# Altium PCB allaki_mezzanine.PcbDoc (part 3 of 3) (continued)
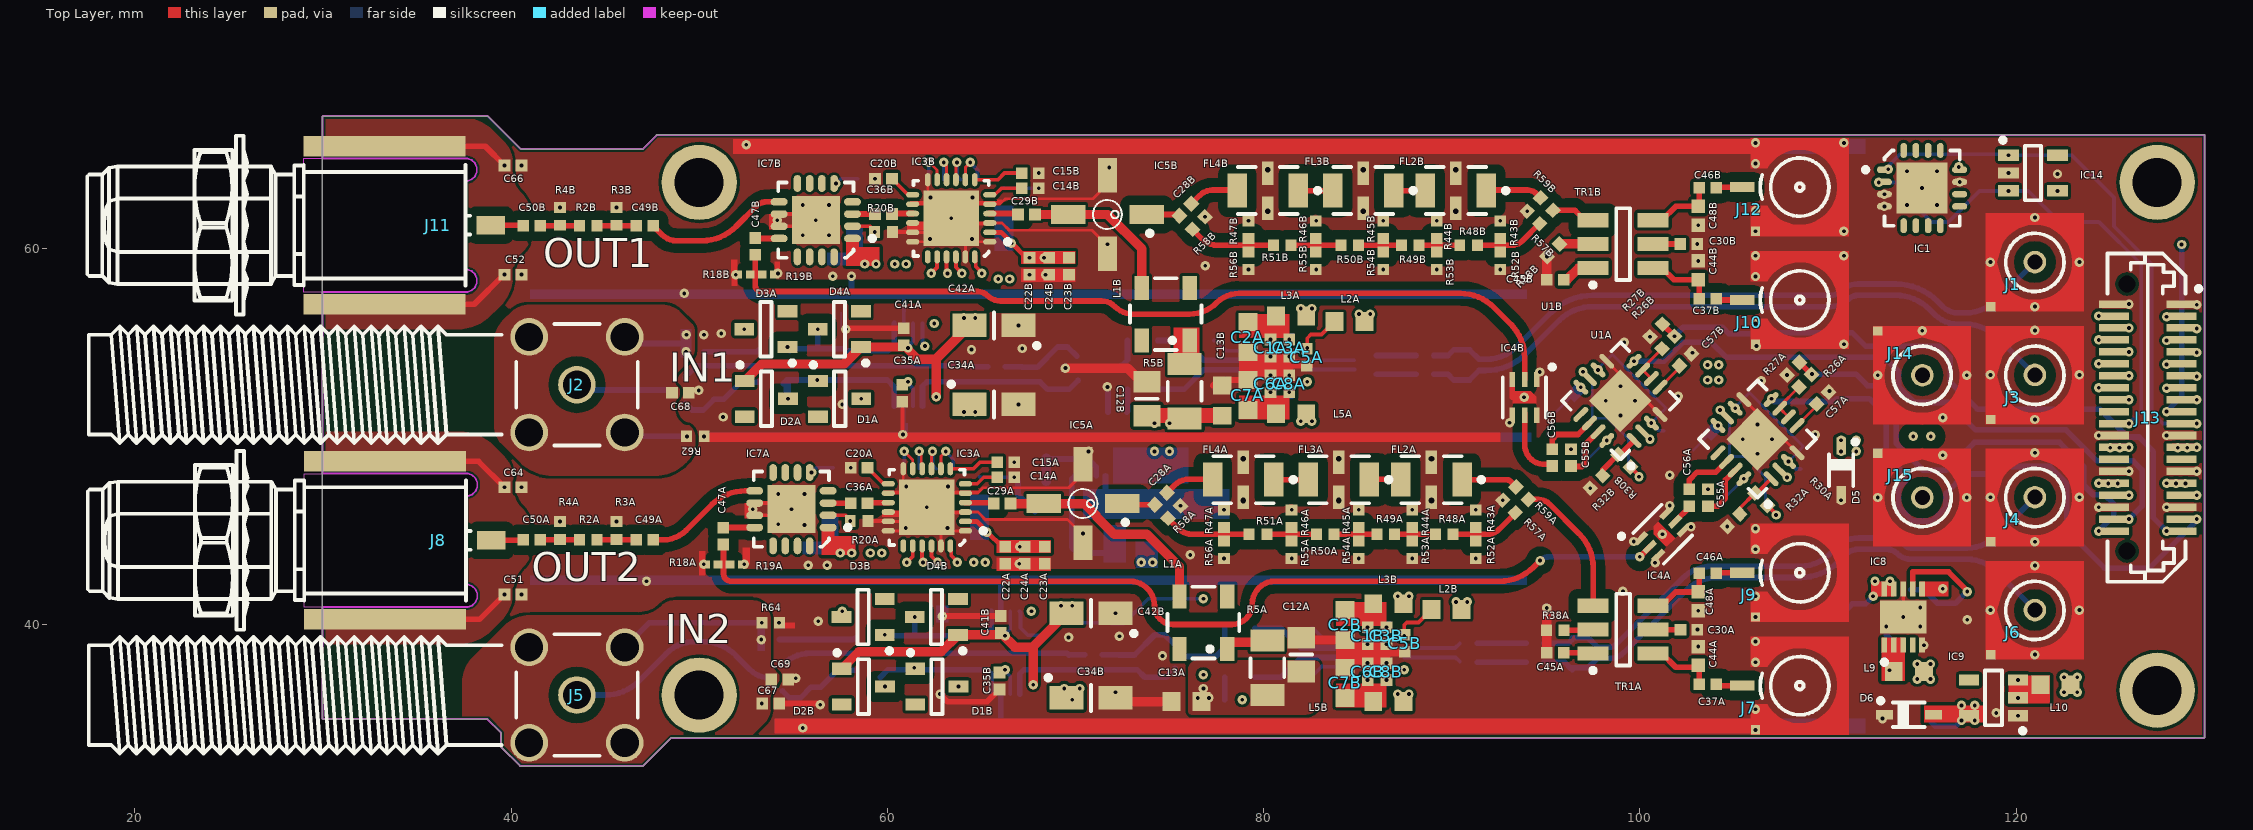
[diagram p0: Top Layer view]
## Polygon pours and split planes (outlines as drawn) (continued)
VCCN_12V0_A on MidLayer3 "VCCN_12V0_A_L04_P048" (solid, remove dead copper, pour order 101): 61.9,55.9 ccw(c62.4,55.9) 62.4,55.4 68.4,55.4 68.4,40.5 ccw(c68.9,40.5) 68.9,40 69.4,40 ccw(c69.4,40.5) 69.55,40.023 ccw(c69.7,40.5) 69.7,40 70.2,40 ccw(c70.2,40.5) 70.7,40.5 70.7,56.7 ccw(c70.3,56.7) 70.3,57.1 69.6,57.1 ccw(c69.6,56.7) 69.55,57.097 ccw(c69.5,56.7) 69.5,57.1 68.8,57.1 ccw(c68.8,56.7) 68.454,56.9 62.4,56.9 ccw(c62.4,56.4) 61.9,56.4
VCCN_5V0_A on MidLayer3 "VCCN_5V0_A_L04_P045" (solid, remove dead copper, pour order 98): 117.905,34.4 ccw(c117.905,34.9) 118.405,34.9 118.405,35.4 ccw(c117.905,35.4) 118.405,35.4 ccw(c117.905,35.4) 118.405,35.4 118.405,35.9 ccw(c117.905,35.9) 117.905,36.4 103.605,36.4 ccw(c103.605,36) 103.205,36 103.205,35.9 88.095,35.9 88.095,36.6 ccw(c87.695,36.6) 87.695,37 ccw(c87.695,36.6) 87.695,37 83,37 83,50.8 ccw(c82.6,50.8) 82.6,51.2 81.9,51.2 ccw(c81.9,50.8) 81.5,50.8 81.5,34.9 ccw(c82,34.9) 81.505,34.829 81.505,34.8 ccw(c81.905,34.8) 81.905,34.4 81.998,34.4 ccw(c82,34.9) 82,34.4 82.5,34.4 ccw(c82.5,34.9) 82.502,34.4
NetC51_2 on MidLayer3 "NETC51_2_L04_P078" (solid, remove dead copper, pour order 130): 30.025,50.25 37.27,50.25 cw(c37.27,47.71) 39.067,49.506 39.6,48.972 cw(c38.332,47.704) 40.125,47.704 40.125,47.215 ccw(c41.491,47.215) 40.525,46.25 cw(c39.077,44.801) 41.125,44.801 41.125,44.257 cw(c39.418,44.257) 40.625,43.05 40.62,43.045 ccw(c41.815,41.85) 40.125,41.85 cw(c37.711,41.85) 39.418,40.142 38.969,39.694 cw(c37.173,41.49) 37.173,38.95 30.039,38.95
NetC52_2 on MidLayer3 "NETC52_2_L04_P072" (solid, remove dead copper, pour order 124): 30,67 37.245,67 cw(c37.245,64.46) 39.041,66.256 39.575,65.723 cw(c38.307,64.455) 40.1,64.455 40.1,63.966 ccw(c41.466,63.966) 40.5,63 cw(c39.052,61.552) 41.1,61.552 41.1,61.007 cw(c39.393,61.007) 40.6,59.8 40.595,59.795 ccw(c41.79,58.6) 40.1,58.6 cw(c37.686,58.6) 39.393,56.893 38.944,56.444 cw(c37.148,58.24) 37.148,55.7 30.014,55.7
RET1_IN on MidLayer3 "RET1_IN_L04_P066" (solid, remove dead copper, pour order 118): 48.034,57 cw(c48.034,55.634) 49,56.6 49.607,55.993 cw(c49.215,55.6) 49.77,55.6 49.77,54.692 cw(c48.848,54.692) 49.5,54.04 48.87,53.41 ccw(c49.28,53) 48.7,53 48.7,52.941 ccw(c49.041,52.941) 48.8,52.7 48.929,52.571 cw(c48.759,52.4) 49,52.4 49,52.363 cw(c48.486,52.363) 48.849,52 ccw(c49.21,51.639) 48.7,51.639 48.7,51.5 ccw(c49.666,51.5) 48.983,50.817 49.059,50.741 ccw(c49.4,51.083) 49.4,50.6 cw(c49.4,50.455) 49.502,50.558 49.6,50.46 cw(c49.117,49.977) 49.8,49.977 49.8,49.7 cw(c48.351,49.7) 49.376,48.676 49.3,48.6 cw(c47.61,50.29) 47.61,47.9 42.252,47.9 cw(c42.252,50.44) 40.456,48.644 39.5,49.6 cw(c40.466,50.566) 39.1,50.566 39.1,55 cw(c40.79,55) 39.595,56.195 40,56.6 cw(c40.966,55.634) 40.966,57
VCCP_5V0 on MidLayer3 "VCCP_5V0_L04_P046" (solid, remove dead copper, pour order 99): 58.8,42 65.4,42 ccw(c65.4,42.5) 65.9,42.5 ccw(c65.4,42.5) 65.9,42.5 65.9,43 ccw(c65.4,43) 65.4,43.5 ccw(c65.4,43) 65.4,43.5 61.4,43.5 61.4,45.06 ccw(c60.92,45.2) 61.42,45.2 61.42,57.1 66.4,57.1 ccw(c66.4,57.6) 66.9,57.6 ccw(c66.4,57.6) 66.9,57.6 66.9,58.1 ccw(c66.4,58.1) 66.9,58.102 66.9,58.1 ccw(c66.4,58.1) 66.897,58.15 ccw(c66.4,58.2) 66.9,58.2 cw(c66.4,58.2) 66.9,58.2 66.9,58.7 cw(c66.4,58.7) 66.9,58.7 ccw(c66.4,58.7) 66.4,59.2 61.42,59.2 61.42,59.5 ccw(c61.02,59.5) 61.02,59.9 60.32,59.9 ccw(c60.32,59.5) 59.92,59.5 59.92,58.1 59.22,58.1 ccw(c59.22,57.7) 58.82,57.7 58.82,43.5 58.8,43.5
VCCP_6V0_A on MidLayer3 "VCCP_6V0_A_L04_P044" (solid, remove dead copper, pour order 97): 114.735,36.565 120.065,36.565 ccw(c120.065,38) 121.5,38 121.5,39.485 cw(c124.04,39.485) 124.04,42.025 126,42.025 ccw(c126,42.625) 126.6,42.625 126.6,47 ccw(c125.6,47) 125.6,48 122.54,48 ccw(c122.54,45.46) 120,45.46 120,43.507 cw(c119.6,44.2) 119.6,43.4 ccw(c119.6,42.3) 118.5,42.3 118.5,40.891 cw(c117.4,40.891) 117.973,39.952 cw(c117.46,42.44) 117.46,39.9 114.9,39.9 ccw(c114.9,39) 114,39 114,37.3 ccw(c114.735,37.3)
VCCN_6V0_A on MidLayer3 "VCCN_6V0_A_L04_P043" (solid, remove dead copper, pour order 96): 127.06,36 ccw(c127.06,38.54) 129.6,38.54 129.6,47.443 ccw(c129,47.443) 129,48.043 127.443,48.043 ccw(c127.443,47.6) 127,47.6 127,42 cw(c126,42) 126,41 124.54,41 ccw(c124.54,38.46) 122,38.46 122,36.5 ccw(c122.5,36.5) 122.5,36
VCCN_12V0_A on MidLayer3 "VCCN_12V0_A_L04_P050" (solid, remove dead copper, pour order 103): 0,0
RET2_IN on MidLayer3 "RET2_IN_L04_P060" (solid, remove dead copper, pour order 112): 41,40.5 46.793,40.5 ccw(c46.793,42.207) 48,41 cw(c48.724,40.276) 48.724,41.3 52.776,41.3 cw(c52.776,40.276) 53.5,41 cw(c52.776,40.276) 53.8,40.276 53.8,37.935 ccw(c54.141,37.935) 53.9,37.694 54.276,37.317 cw(c54.219,37.26) 54.3,37.26 cw(c53.649,37.26) 54.109,36.8 ccw(c54.857,36.053) 53.8,36.053 53.8,35.524 cw(c52.776,35.524) 53.5,34.8 51.944,33.244 cw(c50.148,35.04) 50.148,32.5 40.152,32.5 cw(c40.152,35.04) 38.356,33.244 38,33.6 cw(c39.449,35.049) 37.4,35.049 37.4,36.9 cw(c39.331,36.9) 37.966,38.266 39.634,39.934 cw(c41,38.569)
GND on MidLayer1 "GND_L02_P090" (solid, remove dead copper, pour order 142): 38.739,34.975 39.475,34.239 39.475,33.5 ccw(c39.5,33.5) 39.482,33.482 40.482,32.482 cw(c40.5,32.5) 40.482,32.482 ccw(c40.5,32.5) 40.5,32.475 47,32.475 ccw(c47,32.5) 47.018,32.482 48.511,33.975 130,33.975 ccw(c130,34) 130.025,34 130.025,66 ccw(c130,66) 130,66.025 47.75,66.025 ccw(c47.75,66) 47.732,66.018 cw(c47.75,66) 47.732,66.018 46.989,65.275 40.511,65.275 38.768,67.018 cw(c38.75,67) 38.768,67.018 ccw(c38.75,67) 38.75,67.025 30,67.025 ccw(c30,67) 29.975,67 29.975,35 ccw(c30,35) 30,34.975
NetC51_2 on MidLayer1 "NETC51_2_L02_P076" (solid, remove dead copper, pour order 128): 30.025,50.25 37.27,50.25 cw(c37.27,47.71) 39.067,49.506 39.6,48.972 cw(c38.332,47.704) 40.125,47.704 40.125,47.215 ccw(c41.491,47.215) 40.525,46.25 cw(c39.077,44.801) 41.125,44.801 41.125,44.257 cw(c39.418,44.257) 40.625,43.05 40.62,43.045 ccw(c41.815,41.85) 40.125,41.85 cw(c37.711,41.85) 39.418,40.142 38.969,39.694 cw(c37.173,41.49) 37.173,38.95 30.039,38.95
NetC52_2 on MidLayer1 "NETC52_2_L02_P070" (solid, remove dead copper, pour order 122): 30,67 37.245,67 cw(c37.245,64.46) 39.041,66.256 39.575,65.723 cw(c38.307,64.455) 40.1,64.455 40.1,63.966 ccw(c41.466,63.966) 40.5,63 cw(c39.052,61.552) 41.1,61.552 41.1,61.007 cw(c39.393,61.007) 40.6,59.8 40.595,59.795 ccw(c41.79,58.6) 40.1,58.6 cw(c37.686,58.6) 39.393,56.893 38.944,56.444 cw(c37.148,58.24) 37.148,55.7 30.014,55.7
RET1_IN on MidLayer1 "RET1_IN_L02_P064" (solid, remove dead copper, pour order 116): 48.034,57 cw(c48.034,55.634) 49,56.6 49.607,55.993 cw(c49.215,55.6) 49.77,55.6 49.77,54.692 cw(c48.848,54.692) 49.5,54.04 48.87,53.41 ccw(c49.28,53) 48.7,53 48.7,52.941 ccw(c49.041,52.941) 48.8,52.7 48.929,52.571 cw(c48.759,52.4) 49,52.4 49,52.363 cw(c48.486,52.363) 48.849,52 ccw(c49.21,51.639) 48.7,51.639 48.7,51.5 ccw(c49.666,51.5) 48.983,50.817 49.059,50.741 ccw(c49.4,51.083) 49.4,50.6 cw(c49.4,50.455) 49.502,50.558 49.6,50.46 cw(c49.117,49.977) 49.8,49.977 49.8,49.7 cw(c48.351,49.7) 49.376,48.676 49.3,48.6 cw(c47.61,50.29) 47.61,47.9 42.252,47.9 cw(c42.252,50.44) 40.456,48.644 39.5,49.6 cw(c40.466,50.566) 39.1,50.566 39.1,55 cw(c40.79,55) 39.595,56.195 40,56.6 cw(c40.966,55.634) 40.966,57
RET2_IN on MidLayer1 "RET2_IN_L02_P058" (solid, remove dead copper, pour order 110): 41,40.5 46.793,40.5 ccw(c46.793,42.207) 48,41 cw(c48.724,40.276) 48.724,41.3 52.776,41.3 cw(c52.776,40.276) 53.5,41 cw(c52.776,40.276) 53.8,40.276 53.8,37.935 ccw(c54.141,37.935) 53.9,37.694 54.276,37.317 cw(c54.219,37.26) 54.3,37.26 cw(c53.649,37.26) 54.109,36.8 ccw(c54.857,36.053) 53.8,36.053 53.8,35.524 cw(c52.776,35.524) 53.5,34.8 51.944,33.244 cw(c50.148,35.04) 50.148,32.5 40.152,32.5 cw(c40.152,35.04) 38.356,33.244 38,33.6 cw(c39.449,35.049) 37.4,35.049 37.4,36.9 cw(c39.331,36.9) 37.966,38.266 39.634,39.934 cw(c41,38.569)
GND on MidLayer4 "GND_L05_P042" (solid, remove dead copper, pour order 144): 38.739,34.975 39.475,34.239 39.475,33.5 ccw(c39.5,33.5) 39.482,33.482 40.482,32.482 cw(c40.5,32.5) 40.482,32.482 ccw(c40.5,32.5) 40.5,32.475 47,32.475 ccw(c47,32.5) 47.018,32.482 48.511,33.975 130,33.975 ccw(c130,34) 130.025,34 130.025,66 ccw(c130,66) 130,66.025 47.75,66.025 ccw(c47.75,66) 47.732,66.018 cw(c47.75,66) 47.732,66.018 46.989,65.275 40.511,65.275 38.768,67.018 cw(c38.75,67) 38.768,67.018 ccw(c38.75,67) 38.75,67.025 30,67.025 ccw(c30,67) 29.975,67 29.975,35 ccw(c30,35) 30,34.975
NetC51_2 on MidLayer4 "NETC51_2_L05_P079" (solid, remove dead copper, pour order 131): 30.025,50.25 37.27,50.25 cw(c37.27,47.71) 39.067,49.506 39.6,48.972 cw(c38.332,47.704) 40.125,47.704 40.125,47.215 ccw(c41.491,47.215) 40.525,46.25 cw(c39.077,44.801) 41.125,44.801 41.125,44.257 cw(c39.418,44.257) 40.625,43.05 40.62,43.045 ccw(c41.815,41.85) 40.125,41.85 cw(c37.711,41.85) 39.418,40.142 38.969,39.694 cw(c37.173,41.49) 37.173,38.95 30.039,38.95
NetC52_2 on MidLayer4 "NETC52_2_L05_P073" (solid, remove dead copper, pour order 125): 30,67 37.245,67 cw(c37.245,64.46) 39.041,66.256 39.575,65.723 cw(c38.307,64.455) 40.1,64.455 40.1,63.966 ccw(c41.466,63.966) 40.5,63 cw(c39.052,61.552) 41.1,61.552 41.1,61.007 cw(c39.393,61.007) 40.6,59.8 40.595,59.795 ccw(c41.79,58.6) 40.1,58.6 cw(c37.686,58.6) 39.393,56.893 38.944,56.444 cw(c37.148,58.24) 37.148,55.7 30.014,55.7
RET1_IN on MidLayer4 "RET1_IN_L05_P067" (solid, remove dead copper, pour order 119): 48.034,57 cw(c48.034,55.634) 49,56.6 49.607,55.993 cw(c49.215,55.6) 49.77,55.6 49.77,54.692 cw(c48.848,54.692) 49.5,54.04 48.87,53.41 ccw(c49.28,53) 48.7,53 48.7,52.941 ccw(c49.041,52.941) 48.8,52.7 48.929,52.571 cw(c48.759,52.4) 49,52.4 49,52.363 cw(c48.486,52.363) 48.849,52 ccw(c49.21,51.639) 48.7,51.639 48.7,51.5 ccw(c49.666,51.5) 48.983,50.817 49.059,50.741 ccw(c49.4,51.083) 49.4,50.6 cw(c49.4,50.455) 49.502,50.558 49.6,50.46 cw(c49.117,49.977) 49.8,49.977 49.8,49.7 cw(c48.351,49.7) 49.376,48.676 49.3,48.6 cw(c47.61,50.29) 47.61,47.9 42.252,47.9 cw(c42.252,50.44) 40.456,48.644 39.5,49.6 cw(c40.466,50.566) 39.1,50.566 39.1,55 cw(c40.79,55) 39.595,56.195 40,56.6 cw(c40.966,55.634) 40.966,57
RET2_IN on MidLayer4 "RET2_IN_L05_P061" (solid, remove dead copper, pour order 113): 41,40.5 46.793,40.5 ccw(c46.793,42.207) 48,41 cw(c48.724,40.276) 48.724,41.3 52.776,41.3 cw(c52.776,40.276) 53.5,41 cw(c52.776,40.276) 53.8,40.276 53.8,37.935 ccw(c54.141,37.935) 53.9,37.694 54.276,37.317 cw(c54.219,37.26) 54.3,37.26 cw(c53.649,37.26) 54.109,36.8 ccw(c54.857,36.053) 53.8,36.053 53.8,35.524 cw(c52.776,35.524) 53.5,34.8 51.944,33.244 cw(c50.148,35.04) 50.148,32.5 40.152,32.5 cw(c40.152,35.04) 38.356,33.244 38,33.6 cw(c39.449,35.049) 37.4,35.049 37.4,36.9 cw(c39.331,36.9) 37.966,38.266 39.634,39.934 cw(c41,38.569)
GND on Top Layer "GND_L01_P091" (solid, remove dead copper, pour order 143): 38.739,34.975 39.475,34.239 39.475,33.5 ccw(c39.5,33.5) 39.482,33.482 40.482,32.482 cw(c40.5,32.5) 40.482,32.482 ccw(c40.5,32.5) 40.5,32.475 47,32.475 ccw(c47,32.5) 47.018,32.482 48.511,33.975 130,33.975 ccw(c130,34) 130.025,34 130.025,66 ccw(c130,66) 130,66.025 47.75,66.025 ccw(c47.75,66) 47.732,66.018 cw(c47.75,66) 47.732,66.018 46.989,65.275 40.511,65.275 38.768,67.018 cw(c38.75,67) 38.768,67.018 ccw(c38.75,67) 38.75,67.025 30,67.025 ccw(c30,67) 29.975,67 29.975,35 ccw(c30,35) 30,34.975
VCCP_11V5_A on Top Layer "VCCP_12V0_A_L01_P082" (solid, remove dead copper, pour order 134): 76.5,38.1 ccw(c76.5,37.6) 76,37.6 76,35.4 ccw(c76.2,35.4) 76.2,35.2 82.2,35.2 ccw(c82.2,36) 83,36 83,37.8 ccw(c82.7,37.8) 82.7,38.1
NetC52_2 on Top Layer "NETC52_2_L01_P069" (solid, remove dead copper, pour order 121): 30,67 37.245,67 cw(c37.245,64.46) 39.041,66.256 39.575,65.723 cw(c38.307,64.455) 40.1,64.455 40.1,63.966 ccw(c41.466,63.966) 40.5,63 cw(c39.052,61.552) 41.1,61.552 41.1,61.007 cw(c39.393,61.007) 40.6,59.8 40.595,59.795 ccw(c41.79,58.6) 40.1,58.6 cw(c37.686,58.6) 39.393,56.893 38.944,56.444 cw(c37.148,58.24) 37.148,55.7 30.014,55.7
RET1_IN on Top Layer "RET1_IN_L01_P063" (solid, remove dead copper, pour order 115): 48.034,57 cw(c48.034,55.634) 49,56.6 49.607,55.993 cw(c49.215,55.6) 49.77,55.6 49.77,54.692 cw(c48.848,54.692) 49.5,54.04 48.87,53.41 ccw(c49.28,53) 48.7,53 48.7,52.941 ccw(c49.041,52.941) 48.8,52.7 48.929,52.571 cw(c48.759,52.4) 49,52.4 49,52.363 cw(c48.486,52.363) 48.849,52 ccw(c49.21,51.639) 48.7,51.639 48.7,51.5 ccw(c49.666,51.5) 48.983,50.817 49.059,50.741 ccw(c49.4,51.083) 49.4,50.6 cw(c49.4,50.455) 49.502,50.558 49.6,50.46 cw(c49.117,49.977) 49.8,49.977 49.8,49.7 cw(c48.351,49.7) 49.376,48.676 49.3,48.6 cw(c47.61,50.29) 47.61,47.9 42.252,47.9 cw(c42.252,50.44) 40.456,48.644 39.5,49.6 cw(c40.466,50.566) 39.1,50.566 39.1,55 cw(c40.79,55) 39.595,56.195 40,56.6 cw(c40.966,55.634) 40.966,57
NetC51_2 on Top Layer "NETC51_2_L01_P075" (solid, remove dead copper, pour order 127): 30.025,50.25 37.27,50.25 cw(c37.27,47.71) 39.067,49.506 39.6,48.972 cw(c38.332,47.704) 40.125,47.704 40.125,47.215 ccw(c41.491,47.215) 40.525,46.25 cw(c39.077,44.801) 41.125,44.801 41.125,44.257 cw(c39.418,44.257) 40.625,43.05 40.62,43.045 ccw(c41.815,41.85) 40.125,41.85 cw(c37.711,41.85) 39.418,40.142 38.969,39.694 cw(c37.173,41.49) 37.173,38.95 30.039,38.95
RET2_IN on Top Layer "RET2_IN_L01_P057" (solid, remove dead copper, pour order 109): 41,40.5 46.793,40.5 ccw(c46.793,42.207) 48,41 cw(c48.724,40.276) 48.724,41.3 52.776,41.3 cw(c52.776,40.276) 53.5,41 cw(c52.776,40.276) 53.8,40.276 53.8,37.935 ccw(c54.141,37.935) 53.9,37.694 54.276,37.317 cw(c54.219,37.26) 54.3,37.26 cw(c53.645,37.271) 54.1,36.8 ccw(c54.852,36.064) 53.8,36.053 53.8,35.524 cw(c52.776,35.524) 53.5,34.8 51.944,33.244 cw(c50.148,35.04) 50.148,32.5 40.152,32.5 cw(c40.152,35.04) 38.356,33.244 38,33.6 cw(c39.449,35.049) 37.4,35.049 37.4,36.9 cw(c39.331,36.9) 37.966,38.266 39.634,39.934 cw(c41,38.569)
GND on Bottom Layer "GND_L06_P087" (solid, remove dead copper, pour order 139): 38.739,34.975 39.475,34.239 39.475,33.5 ccw(c39.5,33.5) 39.482,33.482 40.482,32.482 cw(c40.5,32.5) 40.482,32.482 ccw(c40.5,32.5) 40.5,32.475 47,32.475 ccw(c47,32.5) 47.018,32.482 48.511,33.975 130,33.975 ccw(c130,34) 130.025,34 130.025,66 ccw(c130,66) 130,66.025 47.75,66.025 ccw(c47.75,66) 47.732,66.018 cw(c47.75,66) 47.732,66.018 46.989,65.275 40.511,65.275 38.768,67.018 cw(c38.75,67) 38.768,67.018 ccw(c38.75,67) 38.75,67.025 30,67.025 ccw(c30,67) 29.975,67 29.975,35 ccw(c30,35) 30,34.975
RET1_IN on Bottom Layer "RET1_IN_L06_P068" (solid, remove dead copper, pour order 120): 48.034,57 cw(c48.034,55.634) 49,56.6 49.607,55.993 cw(c49.215,55.6) 49.77,55.6 49.77,54.692 cw(c48.848,54.692) 49.5,54.04 48.87,53.41 ccw(c49.28,53) 48.7,53 48.7,52.941 ccw(c49.041,52.941) 48.8,52.7 48.929,52.571 cw(c48.759,52.4) 49,52.4 49,52.363 cw(c48.486,52.363) 48.849,52 ccw(c49.21,51.639) 48.7,51.639 48.7,51.5 ccw(c49.666,51.5) 48.983,50.817 49.059,50.741 ccw(c49.4,51.083) 49.4,50.6 cw(c49.4,50.455) 49.502,50.558 49.6,50.46 cw(c49.117,49.977) 49.8,49.977 49.8,49.7 cw(c48.351,49.7) 49.376,48.676 49.3,48.6 cw(c47.61,50.29) 47.61,47.9 42.252,47.9 cw(c42.252,50.44) 40.456,48.644 39.5,49.6 cw(c40.466,50.566) 39.1,50.566 39.1,55 cw(c40.79,55) 39.595,56.195 40,56.6 cw(c40.966,55.634) 40.966,57
NetC51_2 on Bottom Layer "NETC51_2_L06_P080" (solid, remove dead copper, pour order 132): 30.025,50.25 37.27,50.25 cw(c37.27,47.71) 39.067,49.506 39.6,48.972 cw(c38.332,47.704) 40.125,47.704 40.125,47.215 ccw(c41.491,47.215) 40.525,46.25 cw(c39.077,44.801) 41.125,44.801 41.125,44.257 cw(c39.418,44.257) 40.625,43.05 40.62,43.045 ccw(c41.815,41.85) 40.125,41.85 cw(c37.711,41.85) 39.418,40.142 38.969,39.694 cw(c37.173,41.49) 37.173,38.95 30.039,38.95
NetC52_2 on Bottom Layer "NETC52_2_L06_P074" (solid, remove dead copper, pour order 126): 30,67 37.245,67 cw(c37.245,64.46) 39.041,66.256 39.575,65.723 cw(c38.307,64.455) 40.1,64.455 40.1,63.966 ccw(c41.466,63.966) 40.5,63 cw(c39.052,61.552) 41.1,61.552 41.1,61.007 cw(c39.393,61.007) 40.6,59.8 40.595,59.795 ccw(c41.79,58.6) 40.1,58.6 cw(c37.686,58.6) 39.393,56.893 38.944,56.444 cw(c37.148,58.24) 37.148,55.7 30.014,55.7
NetC58B_1 on Bottom Layer "NETC58B_1_L06_P053" (solid, remove dead copper, pour order 106): 99.172,54.995 98.854,54.995 ccw(c98.854,53.646) 97.9,54.6 97.612,54.312 ccw(c98.124,53.8) 97.4,53.8 ccw(c99.09,53.8) 97.895,52.605 100.231,50.269 ccw(c101.4,51.438) 101.4,49.785 102.056,50.441 ccw(c100.26,52.237) 102.8,52.237 102.8,53.909 ccw(c102.459,53.909) 102.7,54.15 102.599,54.251 ccw(c100.803,52.455) 100.803,54.995 99.172,54.995
NetC58A_1 on Bottom Layer "NETC58A_1_L06_P055" (solid, remove dead copper, pour order 108): 111.575,50.3 ccw(c111.575,50.525) 111.8,50.525 111.8,51.6 ccw(c111.7,51.6) 111.7,51.7 110.087,51.7 110.087,51.871 ccw(c109.745,51.871) 109.987,52.113 109.886,52.214 ccw(c108.09,50.418) 108.09,52.958 106.459,52.958 106.141,52.958 ccw(c106.141,51.609) 105.187,52.563 104.899,52.275 ccw(c105.411,51.763) 104.687,51.763 ccw(c106.377,51.763) 105.182,50.568 107.518,48.231 ccw(c108.687,49.4) 108.687,47.747 109.343,48.403 ccw(c107.547,50.199) 110.087,50.199 110.087,50.3
RET2_IN on Bottom Layer "RET2_IN_L06_P062" (solid, remove dead copper, pour order 114): 41,40.5 46.793,40.5 ccw(c46.793,42.207) 48,41 cw(c48.724,40.276) 48.724,41.3 52.776,41.3 cw(c52.776,40.276) 53.5,41 cw(c52.776,40.276) 53.8,40.276 53.8,37.935 ccw(c54.141,37.935) 53.9,37.694 54.276,37.317 cw(c54.219,37.26) 54.3,37.26 cw(c53.649,37.26) 54.109,36.8 ccw(c54.857,36.053) 53.8,36.053 53.8,35.524 cw(c52.776,35.524) 53.5,34.8 51.944,33.244 cw(c50.148,35.04) 50.148,32.5 40.152,32.5 cw(c40.152,35.04) 38.356,33.244 38,33.6 cw(c39.449,35.049) 37.4,35.049 37.4,36.9 cw(c39.331,36.9) 37.966,38.266 39.634,39.934 cw(c41,38.569)

## Keep-outs
Keep-Out Layer:
  lines w0.1: 29.975,34.995 29.975,40.924 37.719,40.924 37.94,41.016 38.109,41.185 38.2,41.405 38.2,41.644 38.109,41.864 37.94,42.033 37.719,42.124 37.6,42.124 37.6,46.824 37.719,46.824 37.94,46.916 38.109,47.085 38.2,47.305 38.2,47.544 38.109,47.764 37.94,47.933 37.719,48.024 29.975,48.024 29.975,57.675 37.694,57.675 37.915,57.766 38.084,57.935 38.175,58.156 38.175,58.394 38.084,58.615 37.915,58.784 37.694,58.875 37.575,58.875 37.575,63.575 37.694,63.575 37.915,63.666 38.084,63.835 38.175,64.056 38.175,64.294 38.084,64.515 37.915,64.684 37.694,64.775 29.975,64.775 29.975,67 29.978,67.014 29.995,67.025 38.75,67.025 38.766,67.02 40.511,65.275 46.989,65.275 47.732,66.018 47.747,66.025 130,66.025 130.014,66.022 130.025,66.005 130.025,34 130.022,33.986 130.005,33.975 48.511,33.975 47.018,32.482 47.003,32.475 40.5,32.475 40.484,32.48 39.482,33.482 39.475,33.497 39.475,34.239 38.739,34.975 30,34.975 29.986,34.978 29.975,34.995

## Other copper
Top Layer:
  rectangle net NetL1A_1: 77.7,38.8 80,39.3
  rectangle net VCCP_11V5_A: 73.9,50.7 77.7,51.5
  rectangle net NetL1B_1: 75.2,53.5 76.6,55.8
  rectangle net GND: 80.74,53.6 82.64,54.1
  rectangle net GND: 85.9,38.3 87.8,38.8
  rectangle net VCCP_5V0: 112.3,41.5 113.5,42.3
  rectangle net VCCN_5V0_A: 115.1,34.8 118.229,35.7
  rectangle net GND: 54.24,39.8 55.1,40.1
  region net GND: 64.297,47.135 63.397,47.135 63.397,46.9 64.297,46.9
  region net GND: 64.297,46 63.397,46 63.397,45.835 64.297,45.835
  region net GND: 60.623,46.025 59.723,46.025 59.723,45.725 60.623,45.725
  region net GND: 60.747,47.123 59.8,47.123 59.8,46.9 60.747,46.9
  region net GND: 61.947,61.255 61.047,61.255 61.047,60.955 61.947,60.955
  region net GND: 65.595,61.4 64.695,61.4 64.695,61.2 65.595,61.2
  region net GND: 65.595,62.5 64.695,62.5 64.695,62.3 65.595,62.3
  rectangle net GND: 61.2,61.2 62.1,61.4
  rectangle net GND: 61.2,62.3 62.1,62.5
  rectangle net GND: 51.705,57.997 52.045,59.297
  rectangle net GND: 50,42.6 50.34,43.9
  rectangle net GND: 52.3,43.2 52.7,44.1
  rectangle net GND: 51.7,58.597 52.045,59.4
  rectangle net GND: 54.005,58.597 54.3,59.3
  region net VCCN_12V0_A: 129.6,49.62 128.3,49.62 128.3,49.22 129.6,49.22
  region net VCCP_12V0_A: 126,49.62 125,49.62 125,49.22 126,49.22
  rectangle net VCCN_6V0_A: 128,47.3 129,47.7
  rectangle net VCCP_6V0_A: 124.4,47.3 125.4,47.7
  rectangle net GND: 50.25,49.7 92.6,50.2
  rectangle net GND: 51.8,65 105.9,65.8
  rectangle net GND: 54,34.2 106.1,35
  rectangle net NetC21A_2: 65.811,43.8 68.7,44.5
  rectangle net GND: 65.811,42.85 68.7,43.55
  rectangle net NetC38A_1: 56.5,43.8 57.2,45.2
  rectangle net NetC38A_1: 56.5,43.7 58.3,44.7
  rectangle net GND: 78.695,53.075 81.6,54.5
  rectangle net NetC1A_2: 78.7,55.225 81.37,56.5
  rectangle net NetC6A_2: 78.7,50.9 81.37,52.175
  rectangle net NetC38B_1: 57.797,59.065 59.597,60.065
  rectangle net NetC38B_1: 57.797,59.165 58.497,60.565
  rectangle net GND: 67.108,58.215 69.997,58.915
  rectangle net NetC21B_2: 67.108,59.165 69.997,59.865
  rectangle net NetC27_2: 119.6,35.8 121.8,37.3
  rectangle net NetC25_2: 112.85,37 114.1,39.3
  rectangle net NetC25_2: 114.9,41.5 116.4,42.3
  rectangle net NetC6B_2: 83.86,35.6 86.53,36.875
  rectangle net NetC1B_2: 83.86,39.925 86.53,41.2
  rectangle net GND: 83.855,37.775 86.76,39.2
  rectangle net GND: 64.8,62.345 66.1,62.5
  rectangle net GND: 63.503,46.98 64.853,47.135
  rectangle net GND: 53.7,61 54.247,61.82
  rectangle net GND: 52.403,45.635 52.95,46.455
  rectangle net GND: 65.825,62.446 66.093,62.601
MidLayer1:
  region net VCCN_12V0_A: 129.6,49.615 128.6,49.615 128.6,49.215 129.6,49.215
  region net VCCP_12V0_A: 126,49.615 125,49.615 125,49.215 126,49.215
  rectangle net VCCN_6V0_A: 128,47.295 129,47.695
  rectangle net VCCP_6V0_A: 124.4,47.295 125.4,47.695
MidLayer2:
  rectangle net VCCP_11V5_A: 73.7,48.7 75.5,51.2
  region net VCCN_12V0_A: 129.6,49.62 128.6,49.62 128.6,49.22 129.6,49.22
  region net VCCP_12V0_A: 126,49.62 125,49.62 125,49.22 126,49.22
  rectangle net VCCN_6V0_A: 128,47.3 129,47.7
  rectangle net VCCP_6V0_A: 124.4,47.3 125.4,47.7
MidLayer3:
  region net VCCN_12V0_A: 129.8,49.62 128.6,49.62 128.6,49.22 129.8,49.22
  region net VCCP_12V0_A: 126.2,49.62 125,49.62 125,49.22 126.2,49.22
  rectangle net VCCN_6V0_A: 128,47.3 129.2,47.7
  rectangle net VCCP_6V0_A: 124.4,47.3 125.6,47.7
MidLayer4:
  region net VCCN_12V0_A: 129.6,49.62 128.5,49.62 128.5,49.22 129.6,49.22
  region net VCCP_12V0_A: 126,49.62 124.9,49.62 124.9,49.22 126,49.22
  rectangle net VCCN_6V0_A: 127.9,47.3 129,47.7
  rectangle net VCCP_6V0_A: 124.3,47.3 125.4,47.7
Bottom Layer:
  rectangle net VCCP_11V5_A: 72,47.5 76,49.4
  rectangle net GND: 70.4,45.6 78.2,47.2
  rectangle net NetC71_2: 71.5,43.3 72.7,45.3
  rectangle net GND: 60.8,50.14 61.1,50.7
  rectangle net RET2_IN: 53.1,38.6 53.5,40.4
  rectangle net GND: 60.86,56.842 61.039,57.024
  rectangle net GND: 62.6,40.1 63.24,41
  rectangle net GND: 60.87,56.6 61,57.2
  rectangle net GND: 57.5,55.67 57.58,56.6
  region net NetR25A_1: 103.792,49.761 104.38,50.348 103.926,50.802 103.338,50.214
  region net NetR25B_1: 96.505,51.798 97.093,52.386 96.639,52.839 96.051,52.251
  region net NetC1A_2: 81.64,55.5 81.14,55.5 81.14,54.8 81.64,54.8
  region net NetC1A_2: 80.64,55.5 80.14,55.5 80.14,54.8 80.64,54.8
  region net NetC1B_2: 86.8,40.2 86.3,40.2 86.3,39.5 86.8,39.5
  region net NetC1B_2: 85.8,40.2 85.3,40.2 85.3,39.5 85.8,39.5
  rectangle net NetC6B_2: 86.26,36.7 86.76,37.4
  rectangle net NetC6B_2: 85.26,36.7 85.76,37.4
  rectangle net NetC6A_2: 80.1,52 80.6,52.7
  rectangle net NetC6A_2: 81.1,52 81.6,52.7
  rectangle net NetC6A_2: 80.1,52.1 80.7,52.6
  region net VCCN_12V0_A: 129.6,49.62 128.6,49.62 128.6,49.22 129.6,49.22
  region net VCCP_12V0_A: 126,49.62 125,49.62 125,49.22 126,49.22
  rectangle net VCCN_6V0_A: 128,47.3 129,47.7
  rectangle net VCCP_6V0_A: 124.4,47.3 125.4,47.7
  rectangle net RET1_IN: 49,54.2 49.6,55.7
  rectangle net GND: 50.25,49.7 94.247,50.2
  rectangle net GND: 41,42.1 94,42.6
  rectangle net GND: 51.9,65 112,65.8
  rectangle net GND: 41,57.3 94,57.8
  rectangle net GND: 54,34.2 112,35
  rectangle net VCCP_12V0_A: 73.2,43 74.4,44.4
  rectangle net NetC21A_2: 64.4,44.5 65.4,46.9
  rectangle net NetC38A_1: 55.5,43.725 58.3,44.4
  rectangle net NetC38A_1: 56.5,43.9 57.4,45.9
  rectangle net NetC38B_1: 56.797,59.09 59.597,59.765
  rectangle net NetC21B_2: 65.697,59.865 66.697,62.265
  rectangle net NetC38B_1: 57.797,59.265 58.697,61.265
  rectangle net NetC9A_2: 54.47,52 54.72,52.8
  rectangle net VCCD_3V3: 128.59,60 129,60.4
  rectangle net VCCN_5V0_A: 115.3,35.1 115.7,35.5
  rectangle net VCCP_5V0: 110.2,40.4 110.6,40.8
Multi-Layer:
  pour cut-out: 39.565,57.057 39.159,56.651 39.59,56.19 40.053,56.653

## Silkscreen, mask and mechanical layers (free items; w line width, h text height)
Top Overlay:
  text "OUT1" at 41.7,59 h1.52
  text "IN1" at 48.4,52.9 h1.52
  text "OUT2" at 41.1,42.3 h1.52
  text "IN2" at 48.2,39 h1.52
Bottom Overlay:
  drawing of 1216 lines, arcs and shapes, not listed
  text "Allaki v0.1" at 91.2,62.4 h1.5
  text "WUT" at 91.2,59.5 h1.5
  text "+3V3" at 129,59.2 h0.51
  text "+12V" at 125.9,48.4 h0.51
  text "-12V" at 129.5,48.4 h0.51
  text "+6V" at 125.3,46.5 h0.51
  text "-6V" at 128.9,46.5 h0.51
  text "+5V" at 109.7,40.3 h0.51
  text "-5V" at 114.9,35 h0.51
Mechanical 1:
  lines w0.05: 17.5,55.5 17.5,53 47,53 ; 30,67 30,35 38.75,35 39.5,34.25 39.5,34 39.5,33.5 40.5,32.5 47,32.5 47.5,33 48.5,34 130,34 130,66 58,66 47.75,66 47,65.25 40.5,65.25 39.25,66.5 38.75,67 30,67 ; 30,67 31,67 30,67
Mechanical 2:
  lines w0.127: 37.17,64.632 38.171,64.632 ; 38.17,48.632 39.171,48.632

## Text inside footprints (layer, text, board x,y; h text height)
FL2A: Drill Drawing "Filled and" at 91.325,47.5 h0.5 r180; Drill Drawing "capped via" at 91.375,48.25 h0.5 r180
FL2B: Drill Drawing "Filled and" at 92.622,62.865 h0.5 r180; Drill Drawing "capped via" at 92.672,63.615 h0.5 r180
FL3A: Drill Drawing "Filled and" at 86.4,47.5 h0.5 r180; Drill Drawing "capped via" at 86.45,48.25 h0.5 r180
FL3B: Drill Drawing "Filled and" at 87.697,62.865 h0.5 r180; Drill Drawing "capped via" at 87.747,63.615 h0.5 r180
FL4A: Drill Drawing "Filled and" at 81.325,47.5 h0.5 r180; Drill Drawing "capped via" at 81.375,48.25 h0.5 r180
FL4B: Drill Drawing "Filled and" at 82.622,62.865 h0.5 r180; Drill Drawing "capped via" at 82.672,63.615 h0.5 r180
J8: Drill Drawing "7.1" at 35.95,46.474 h1 r270; Drill Drawing "8.6" at 34.188,46.083 h1 r180; Drill Drawing "r0.6" at 36.414,42.241 h1 r180; Mechanical 8 "3mm" at 25.9,43.199 h1 r180; Mechanical 8 "2.5mm" at 30.95,43.224 h1 r180
J11: Drill Drawing "7.1" at 31.036,61.469 h1 r270; Drill Drawing "8.6" at 34.163,62.833 h1 r180; Drill Drawing "r0.6" at 36.389,58.992 h1 r180; Mechanical 8 "3mm" at 25.875,59.95 h1 r180; Mechanical 8 "2.5mm" at 30.925,59.975 h1 r180